# Altium PCB LimeSDR-Micro_M.2_2280_1v1.PcbDoc (part 6 of 9)
Units mm, origin at the board's own origin, x right, y up, seen from the top; angles counter-clockwise.
Board outline 80 x 22 mm, 8 copper layers (Top, L2, L3, L4, L5, L6, L7, Bottom), stack 0.775 mm thick; 678 components, 389 nets, 2376 pads, 871 vias.
Unrouted connection lines stored in the file: 254.
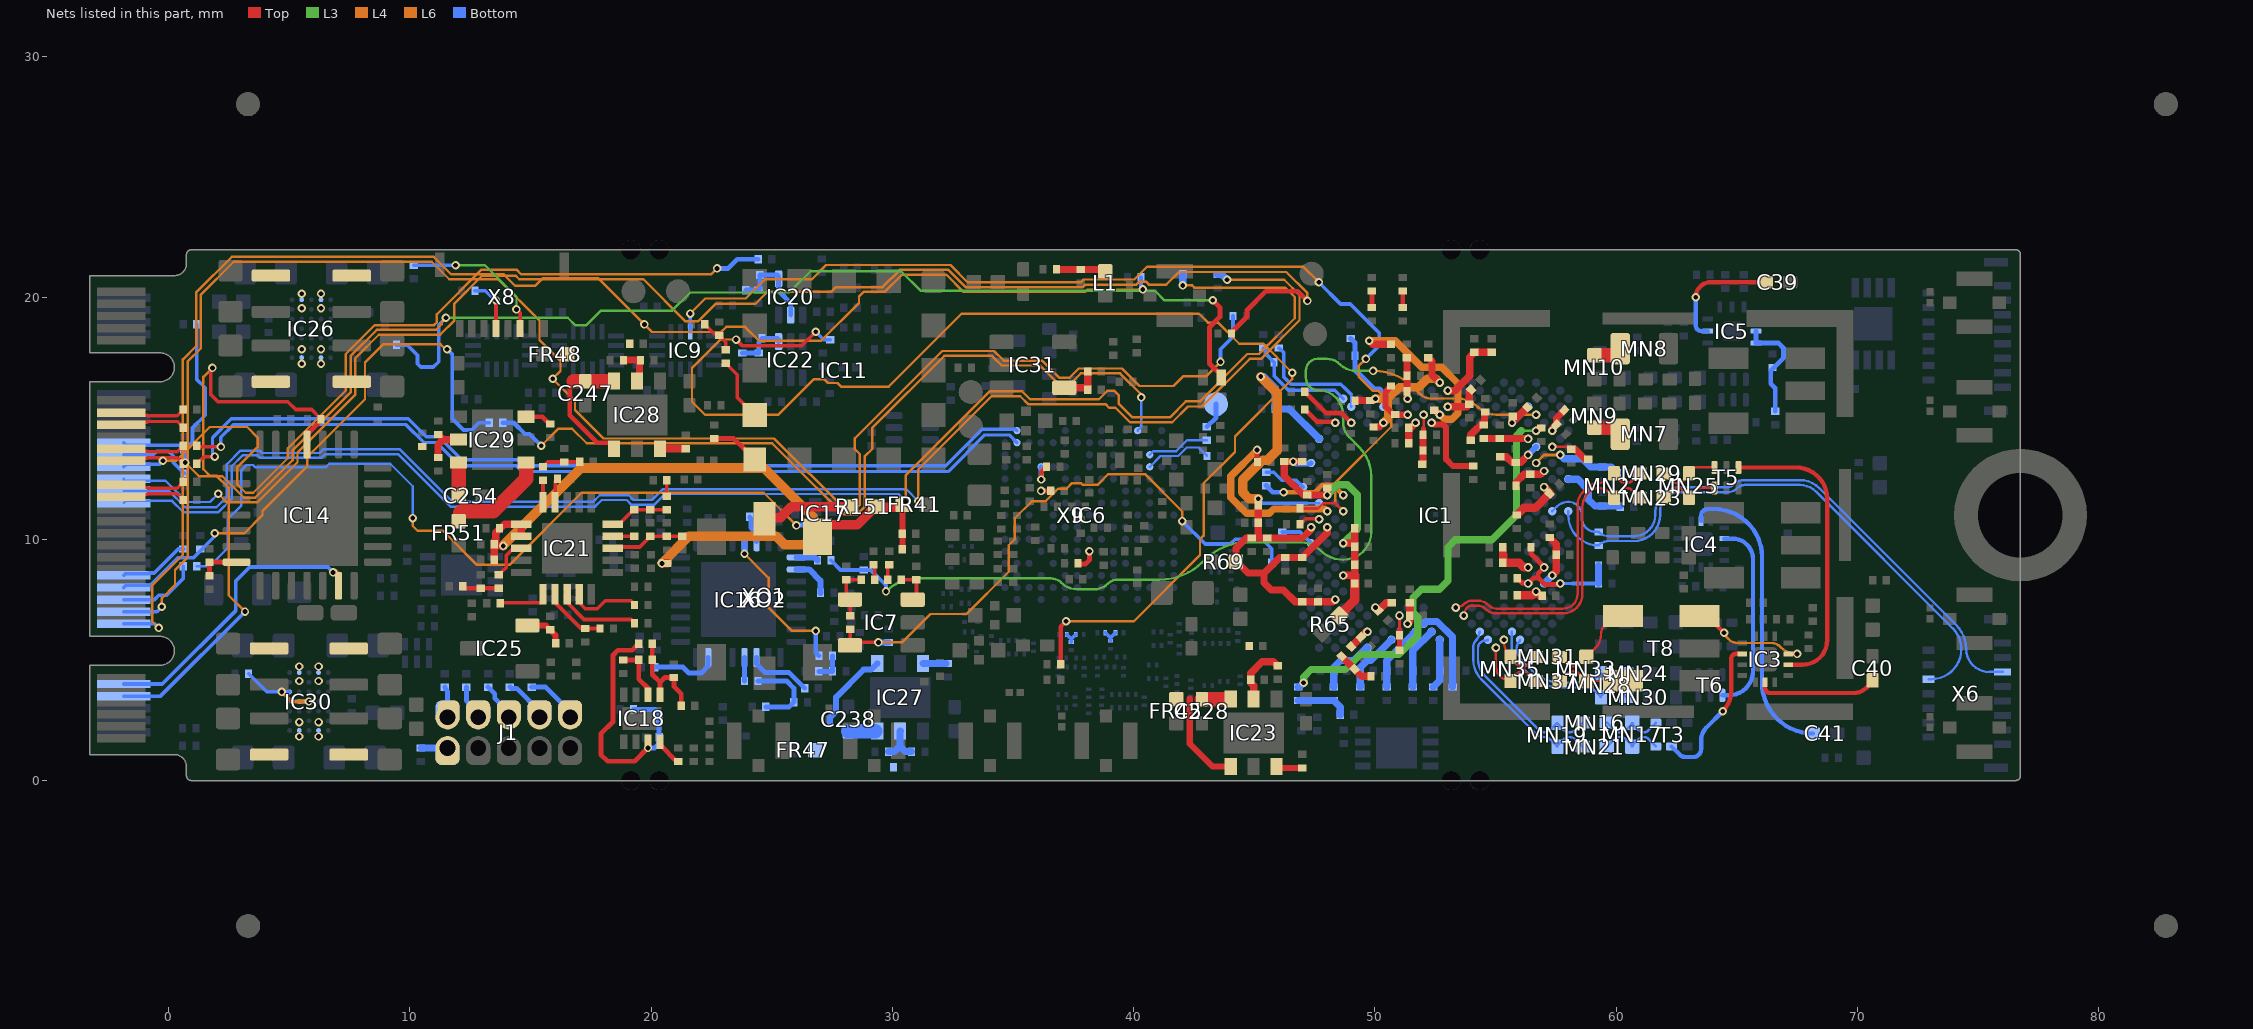
[diagram p12: the nets of this part, all layers, seen from the top]

## Via types
v1: diameter 0.35, hole 0.2, Top to Bottom, tented both sides, 717 vias
v2: diameter 0.35, hole 0.2, L5 to Bottom, tented both sides, 112 vias
v3: diameter 0.4, hole 0.2, Top to Bottom, tented both sides, 30 vias
v4: diameter 0.5, hole 0.2, Top to Bottom, tented both sides, 12 vias

## Nets (pads, with @x,y where several pads share a name; then routed paths per layer and width w, separated by ;. In a path a pad name is that pad's centre, name@x,y a point inside that pad or via, vN(x,y) a via of type N, cw(c..) or ccw(c..) an arc to the next point about the centre after c; other vN are vias at no path point) (continued)
LMS_TX2_BB_Q_N: IC1.U1 R9.2 X6.6 | length 23.6
  Bottom w0.1: IC1.U1@58.01,11.162 58.01,11 ccw(c59.266,11) R9.2@59.266,9.745 cw(c59.7,9.31) 59.7,9.925 60.741,9.925 ccw(c60.741,11) 61.816,11 61.816,11.15 cw(c62.616,11.15) 62.616,11.95 64.604,11.95 ccw(c64.604,12.537) 65.019,12.122 cw(c65.328,11.813) 65.328,12.25 67.611,12.25 cw(c67.611,11.311) 68.275,11.975 73.946,6.304 cw(c73.093,5.45) 74.3,5.45 cw(c73.05,5.45) 73.05,4.2 X6.6@72.943,4.2
LMS_TX2_BB_Q_P: IC1.U3 R9.1 X6.5 | length 24.6
  Bottom w0.1: IC1.U3@57.344,11.162 57.532,11.35 cw(c58.016,10.866) 58.016,11.55 cw(c58.016,11) 58.566,11 58.566,10.9 ccw(c59.161,10.9) 59.161,10.305 R9.1@59.266,10.305 ccw(c59.7,10.74) 59.7,10.125 60.741,10.125 ccw(c60.741,11) 61.616,11 61.616,11.15 cw(c62.616,11.15) 62.616,12.15 64.564,12.15 ccw(c64.564,12.577) 64.866,12.275 cw(c65.288,11.853) 65.288,12.45 67.614,12.45 cw(c67.614,11.319) 68.414,12.119 74.089,6.444 cw(c73.096,5.451) 74.5,5.451 ccw(c75.451,5.451) 75.451,4.5 X6.5@76.008,4.5
LMS_TXEN: IC1.U29 IC9.11 R11.1 | length 43.4
  Top w0.11: R11.1@46.896,11.3 R11.1@46.896,11.275 47.641,11.275 47.864,11.498 48.35,11.498 v1(48.686,11.162)
  L6 w0.1: v2(21.625,19.35) 22.25,19.975 23.925,19.975 24.725,20.775 26.666,20.775 27.253,21.362 32.405,21.362 33.117,20.65 37.816,20.65 37.928,20.763 40.028,20.763 40.566,21.3 47.025,21.3 v2(47.675,20.65) ; v1(48.686,11.162) 48.361,11.487 48.361,12.346 50.676,14.661 50.676,15.372 50.359,15.689 50.359,15.943 50.153,16.149 49.926,16.149 49.325,16.75 49.325,17.175 v2(49.625,17.475)
  Bottom w0.15: IC9.11@21.625,18.6 IC9.11@21.65,18.625 ; IC9.11@21.625,18.625 v2(21.625,19.35) ; v2(47.675,20.65) 48.575,19.75 48.975,19.75 50.175,18.55 50.175,18.025 v2(49.625,17.475)
LMS_TxPLL_CLK: C196.2 IC1.E5 R153.2 | length 43.1
  L3 w0.1: v1(29.738,7.837) cw(c31.035,6.54) 31.035,8.375 36.578,8.375 cw(c36.578,7.778) 37,8.2 ccw(c37.664,8.864) 37.664,7.925 38.375,7.925 ccw(c38.375,8.71) 38.93,8.155 cw(c39.341,7.744) 39.341,8.325 41.073,8.325 ccw(c41.073,10.865) 42.869,9.069 42.931,9.131 cw(c44.727,7.335) 44.727,9.875 46.94,9.875 cw(c46.94,8.765) 47.725,9.55 ccw(c48.691,10.516) 48.691,9.15 ccw(c48.691,10.309) 49.85,10.309 49.85,12.596 ccw(c48.111,12.596) 49.341,13.825 48.935,14.231 cw(c49.553,14.85) 48.678,14.85 48.678,15.147 ccw(c47.65,15.147) 47.65,16.175 cw(c47.65,16.685) 47.141,16.685 47.141,16.992 cw(c47.623,16.992) 47.623,17.475 48.007,17.475 cw(c48.007,16.707) 48.55,17.25 ccw(c49.214,17.914) 48.954,17.012 ccw(c49.214,17.914) 49.214,16.975 v1(49.921,16.975) v1@49.946,16.975
  L6 w0.1: v1@49.946,16.975 cw(c49.946,14.633) 51.602,16.289 51.891,16 ccw(c52.296,16.405) 52.296,15.832 53.404,15.832 cw(c53.404,14.613) 54.266,15.475 ccw(c55.031,16.24) 55.031,15.158 v1(56.678,15.158)
  Bottom w0.15: R153.2@27.455,9.125 27.855,8.725 C196.2@28.825,8.725 29.1,8.725 29.738,8.087 v1(29.738,7.837)
M.2_CLK_IN: R155.2 X9.P28 | length 2.9
  Bottom w0.15: X9.P28@-1.85,8.5 -1.788,8.562 -0.838,8.562 -0.8,8.6 -0.581,8.6 0.414,9.595 R155.2@0.625,9.595
M.2_CLK_OUT: R160.2 X9.P24 | length 3.3
  Bottom w0.15: X9.P24@-1.85,7.5 -0.575,7.5 -0.4,7.675 -0.075,7.675 0.62,8.37 R160.2@0.62,8.875
M.2_GPIO_1: R141.2 X9.P42 | length 61.9
  L6 w0.1: v2(31.075,11.575) 31.075,12.884 34.116,15.925 35.3,15.925 35.625,15.6 38.829,15.6 38.979,15.45 39.25,15.45 39.85,14.85 41.6,14.85 42.25,15.5 42.834,15.5 44.809,17.475 45.276,17.475 46.875,19.074 46.875,20.117 46.242,20.75 v2(43.875,20.75)
  Bottom w0.1: X9.P42@-1.85,12 0.025,12 0.7,11.325 1.992,11.325 2.425,11.758 2.425,13.108 2.992,13.675 3.783,13.675 3.883,13.575 6.27,13.575 6.42,13.725 9.6,13.725 11.775,11.55 17.6,11.55 17.875,11.825 19.075,11.825 19.275,11.625 20.042,11.625 20.492,12.075 30.575,12.075 v2(31.075,11.575)
  Bottom w0.3: R141.2@43.462,20.975 43.65,20.975 v2(43.875,20.75)
M.2_GPIO_2: R142.2 X9.P44 | length 62.5
  Top w0.2: R142.2@44.055,18.525 44.055,18.585 44.7,19.23 44.7,19.5 45.475,20.275 46.8,20.275 v1(47.2,19.875)
  L6 w0.1: v2(2.064,11.886) 2.425,11.525 3.683,11.525 5.35,13.192 5.35,13.6 7.75,16 7.75,17.509 8.716,18.475 11.26,18.475 11.85,19.065 11.85,19.767 13.008,20.925 14.392,20.925 14.542,20.775 19.683,20.775 21.433,19.025 21.95,19.025 22.68,19.755 24.32,19.755 24.815,20.25 27.465,20.25 27.665,20.45 29.6,20.45 30.312,21.162 32.322,21.162 33.034,20.45 37.899,20.45 37.999,20.55 40.115,20.55 40.24,20.675 40.51,20.675 40.635,20.55 41.35,20.55 41.875,21.075 46.325,21.075 47.2,20.2 v1(47.2,19.875)
  Bottom w0.1: X9.P44@-1.85,12.5 -1.85,12.425 -0.117,12.425 0.767,11.541 1.72,11.541 v2(2.064,11.886)
M.2_LED1#: IC14.20 X9.P10 | length 12.2
  Top w0.3: v1(6.825,8.625) 6.925,8.625 7.05,8.5 IC14.20@7.05,8.075
  Bottom w0.15: X9.P10@-1.85,4 -0.25,4 2.8,7.05 2.8,8.275 3.375,8.85 6.6,8.85 v1(6.825,8.625)
M.2_LNA1_EN: R138.2 X9.P20 | length 60
  L4 w0.1: v1(-0.4,6.325) -0.675,6.6 -0.675,8.085 0.6,9.36 0.6,9.45 0.6,17.45 1.15,18 1.15,20.225 2.625,21.7 10.995,21.7 11.72,20.975 13.9,20.975 14.375,20.5 15.2,20.5 15.525,20.825 17.8,20.825 v1(19.725,18.9)
  L6 w0.1: v1(19.725,18.9) 20.038,18.587 22.904,18.587 23.117,18.8 23.9,18.8 24.475,18.225 27.05,18.225 28.62,19.795 28.62,20.06 28.81,20.25 29.683,20.25 30.395,20.962 32.239,20.962 32.951,20.25 37.981,20.25 38.081,20.35 v2(40.375,20.35)
  Bottom w0.15: X9.P20@-1.85,6.5 -0.575,6.5 v1(-0.4,6.325) ; v2@40.3,20.45 40.305,20.455 R138.2@40.305,20.85
M.2_PA_EN: R140.2 X9.P22 | length 72
  L4 w0.1: v1(-0.275,7.2) -0.275,7.55 0.275,8.1 0.275,8.725 0.8,9.25 0.8,17.367 1.35,17.917 1.35,20.142 2.708,21.5 10.912,21.5 11.637,20.775 13.665,20.775 15.38,19.061 15.38,18.255 16.25,17.385 16.25,16.975 v1(15.925,16.65)
  L6 w0.1: v1(15.925,16.65) 16.85,15.725 16.85,15.35 18.025,14.175 25.103,14.175 28.053,11.225 28.451,11.225 28.65,11.424 28.65,13.53 28.445,13.735 28.445,14.178 32.067,17.8 34.217,17.8 34.617,17.4 36.208,17.4 36.908,16.7 37.35,16.7 37.725,17.075 39.525,17.075 40.25,16.35 41.65,16.35 42.05,16.75 43,16.75 v1(43.6,17.35)
  Bottom w0.15: X9.P22@-1.85,7 -0.475,7 v1(-0.275,7.2) ; v1(43.6,17.35) 43.6,17.875 44.12,18.395 R140.2@44.12,19.25
M.2_PPS_IN: R173.1 X9.P46 | length 35.9
  L6 w0.1: v2(-0.225,13.25) 0.325,13.25 0.375,13.3 0.375,13.31 1.715,14.65 3.267,14.65 3.7,14.217 3.7,13.817 2.85,12.967 2.85,12.283 3.208,11.925 3.517,11.925 4.95,13.358 4.95,13.766 7.35,16.166 7.35,17.675 8.55,18.875 11.01,18.875 11.125,18.99 11.125,19.083 11.125,19.325 12.975,21.175 14.425,21.175 14.625,20.975 22.488,20.975 v2(22.738,21.225)
  Bottom w0.15: X9.P46@-1.85,13 -1.75,13.1 -0.737,13.1 -0.375,13.1 v2(-0.225,13.25)
  Bottom w0.2: v2(22.738,21.225) 23.2,21.225 23.575,21.6 R173.1@24.445,21.6
M.2_PPS_OUT: R189.1 X9.P48 | length 3.1
  Bottom w0.15: X9.P48@-1.85,13.5 -0.625,13.5 -0.475,13.65 0.005,13.65 0.2,13.455 0.2,13.18 0.65,12.73 R189.1@0.675,12.73
M.2_TRX1: R129.2 X9.P40 | length 63.3
  L6 w0.1: v2(30.55,11.575) 30.55,12.642 34.033,16.125 35.383,16.125 35.708,15.8 38.558,15.8 38.905,16.148 39.2,16.148 39.391,15.957 39.391,15.609 39.95,15.05 41.5,15.05 42.162,15.712 42.747,15.712 44.709,17.675 45.193,17.675 46.675,19.157 46.675,20.035 46.285,20.425 42.52,20.425 42.425,20.52 v2(42.037,20.52)
  Bottom w0.1: X9.P40@-1.85,11.5 -1.761,11.589 0.153,11.589 0.617,11.125 2.075,11.125 2.625,11.675 2.625,13.025 3.075,13.475 3.7,13.475 3.8,13.375 6.353,13.375 6.503,13.525 9.517,13.525 11.692,11.35 17.683,11.35 17.958,11.625 18.992,11.625 19.192,11.425 20.125,11.425 20.575,11.875 30.25,11.875 v2(30.55,11.575)
  Bottom w0.3: v2(42.037,20.52) R129.2@42.037,20.975
MCP_RESET: C178.1 IC14.14 R139.2 | length 1.7
  Top w0.2: R139.2@1.705,8.485 C178.1@1.705,9.05 IC14.14@2.825,9.05
NetC7_2: C7.2 IC1.C29 R20.1 | length 4.6
  Bottom w0.15: R20.1@45.366,17.92 45.391,17.92 45.466,17.845 45.466,17.692 45.821,17.337 C7.2@45.821,17.325 45.821,16.776 46.421,16.175 48.335,16.175 IC1.C29@48.686,15.824
NetC39_2: C39.2 IC5.2 | length 5.1
  Top w0.18: v1(63.291,20.025) cw(c63.916,20.025) 63.916,20.65 C39.2@66.2,20.65
  Bottom w0.18: v1(63.291,20.025) 63.291,18.875 ccw(c63.541,18.875) 63.541,18.625 IC5.2@63.791,18.625
NetC40_2: C40.2 IC3.13 | length 5
  Top w0.18: IC3.13@66.166,4.072 66.166,3.837 ccw(c66.377,3.837) 66.377,3.625 69.832,3.625 ccw(c69.832,4.393) 70.375,3.85 70.59,4.065 ccw(c70.504,4.15) C40.2@70.625,4.15
NetC41_2: C41.2 IC4.13 | length 12.6
  Bottom w0.18: IC4.13@63.516,10.752 63.516,10.975 cw(c63.791,10.975) 63.791,11.25 64.05,11.25 cw(c64.05,9.26) 66.041,9.26 66.041,4.059 ccw(c68.15,4.059) C41.2@68.15,1.95
NetC45_1: C45.1 FR2.2 IC5.8 IC5.9 | length 4.6
  Bottom w0.2: IC5.8@65.791,18.625 IC5.9@65.791,18.125 66.725,18.125 66.925,17.925 66.925,17.5 66.4,16.975 66.4,16.45 66.585,16.265 FR2.2@66.585,15.3
NetC52_1: C52.1 C53.1 C59.1 C60.1 C61.1 C62.1 C63.1 C64.1 IC1.AA29 IC1.AE29 IC1.L33 IC1.R31 R65.2 | length 13.1
  Top w0.3: C60.1@46.98,13.219 C59.1@46.246,13.219 46.246,12.618 47.036,11.828 v1(48.02,11.828) C52.1@48.02,12.12 ; v1(48.686,9.83) 49.163,9.83 C63.1@49.163,10.46 ; v1@48.715,8.488 48.709,8.488 48.696,8.502 48.696,8.508 49.163,8.508 C61.1@49.163,8.935 C64.1@49.163,9.69
  Top w0.4: R65.2@48.516,6.825 49.163,7.472 C62.1@49.163,8.165 49.163,8.508
  L3 w0.3: v1(48.02,11.828) 48.445,12.253 48.862,12.253 49.275,11.84 49.275,10.419 v1(48.686,9.83)
  Bottom w0.2: v1(46.613,13.215) 46.71,13.118 47.206,13.118 47.219,13.131 47.326,13.131 IC1.L33@47.354,13.16
  other v1: 48.686,8.498
NetC54_1: C54.1 C55.1 C56.1 FR7.1 IC1.A17 IC1.C25 IC1.F24 | length 6.8
  Top w0.3: FR7.1@49.168,15.745 C56.1@49.813,15.745 49.926,15.745 50.005,15.824 v1(50.018,15.824) ; C54.1@49.94,14.651 50.19,14.651 50.351,14.812 v1(50.351,14.825) ; C55.1@52.216,17.525 52.366,17.375 52.366,16.807 v1(52.682,16.49)
  L4 w0.35: v1(50.018,15.824) 50.541,15.824 ; v1(50.351,14.825) 50.541,15.015 50.541,15.824 ; v1(52.682,16.49) 52.522,16.65 52.166,16.65 51.816,16.3 51.017,16.3 50.541,15.824
NetC57_2: C57.2 FR6.1 IC1.M4 | length 1.5
  Top w0.3: FR6.1@55.843,12.215 55.843,12.349 56.189,12.695 C57.2@56.438,12.695 56.866,12.695 56.998,12.827 v1(57.011,12.827)
NetC58_1: C58.1 FR5.1 IC1.AL21 | length 0.9
  Top w0.3: v1(51.35,6.5) 51.35,6.514 51.442,6.606 C58.1@51.442,6.825 51.442,7.37 FR5.1@51.441,7.37
NetC65_1: C65.1 IC1.G5 R66.1 | length 18.5
  Top w0.3: v1(56.678,14.492) 56.692,14.492 56.805,14.605 C65.1@56.891,14.605
  L3 w0.11: 56.074,14.492 v1@56.597,14.492
  L3 w0.3: v1(47.045,4.055) 47.045,4.295 47.35,4.6 48.775,4.6 49.4,5.225 51,5.225 51.775,6 51.775,6.775 51.575,6.975 51.575,7.575 51.925,7.925 52.675,7.925 53.025,8.275 53.025,9.671 53.329,9.975 54.85,9.975 55.866,10.991 55.866,14.3 56.066,14.5
  Bottom w0.3: R66.1@46.816,3.881 46.871,3.881 v1(47.045,4.055)
NetC66_1: C66.1 FR10.1 IC1.P4 | length 2.1
  Top w0.35: FR10.1@55.9,11.025 56.175,11.3 56.648,11.3 C66.1@57.24,11.892 57.24,11.932 v1(57.011,12.161)
NetC67_1: C67.1 FR21.1 IC1.D6 IC1.F8 | length 1.8
  Top w0.3: v1(55.679,14.825) 55.679,14.831 FR21.1@56.315,15.467
  Bottom w0.3: v1(55.679,14.825) IC1.D6@56.345,15.491
NetC68_1: C68.1 FR20.1 IC1.B16 | length 2.9
  Top w0.3: v1(53.015,16.157) 53.311,16.157 53.925,16.771 53.925,17.554 C68.1@54.116,17.745 FR20.1@54.841,17.745
NetC69_1: C69.1 C70.1 FR19.1 IC1.E19 | length 2
  Top w0.11: 52.016,14.6 v1(52.016,15.158)
  Top w0.2: C69.1@52.016,14.305 52.016,14.33 52.016,14.6
  Top w0.3: FR19.1@51.991,13.205 51.991,13.778 C69.1@51.991,14.305
NetC71_2: C71.2 FR18.1 IC1.F20 | length 1
  Top w0.3: FR18.1@51.396,13.975 C71.2@51.396,14.625 51.483,14.625 v1(51.683,14.825)
NetC72_1: C72.1 FR17.1 IC1.AJ25 | length 0.7
  Top w0.3: C72.1@50.14,7.038 50.472,7.37 FR17.1@50.691,7.37
  other v1: 50.018,7.166
NetC73_1: C73.1 IC1.AP26 R67.1 | length 2.5
  Bottom w0.3: R67.1@48.291,3.88 C73.1@48.291,4.55 48.291,4.689 48.577,4.975 49.112,4.975 49.628,5.491 49.676,5.491 IC1.AP26@49.685,5.501
NetC74_1: C74.1 FR15.1 IC1.AN23 | length 2.6
  Bottom w0.3: FR15.1@49.386,3.88 49.391,3.88 C74.1@49.391,4.55 49.391,4.689 49.677,4.975 49.825,4.975 IC1.AN23@50.684,5.834
NetC75_1: C75.1 FR14.1 IC1.AM20 | length 2.8
  Bottom w0.3: FR14.1@50.491,3.88 C75.1@50.491,4.55 50.491,4.975 IC1.AM20@51.683,6.167
NetC76_1: C76.1 FR13.1 IC1.AL19 | length 3.6
  Bottom w0.3: IC1.AL19@52.016,6.5 52.03,6.5 52.122,6.592 52.574,6.592 53.211,5.955 C76.1@53.211,4.55 FR13.1@53.211,3.88
NetC77_1: C77.1 FR12.1 IC1.AG5 | length 1.1
  Top w0.35: FR12.1@55.946,7.675 56.521,7.675 v1(56.678,7.832) C77.1@56.86,7.65
NetC78_2: C78.2 FR11.1 IC1.AD6 | length 2.1
  Top w0.3: FR11.1@55.296,9.025 C78.2@55.296,9.675
  Top w0.35: 55.321,9.35 55.321,9.025 55.972,9.025 56.166,8.831 v1(56.345,8.831)
NetC79_1: C79.1 FR9.1 IC1.J3 | length 1.6
  Top w0.11: v1(57.344,13.826) 58.045,13.826 C79.1@58.046,13.825
  Top w0.3: C79.1@58.141,13.73 58.286,13.73 58.701,13.315 FR9.1@58.843,13.315
NetC80_2: C80.2 FR8.1 IC1.J5 IC1.K6 | length 1.9
  Top w0.3: FR8.1@55.188,13.42 55.446,13.42 55.681,13.185 C80.2@55.838,13.185 56.037,13.185 v1(56.345,13.493)
  Bottom w0.25: v1(56.345,13.493) IC1.J5@56.678,13.826
NetC81_2: C81.2 FR16.1 R66.2 R67.2 | length 2.2
  Bottom w0.3: R66.2@46.816,3.321 R66.2@46.841,3.321 ; R66.2@46.841,3.32 C81.2@47.591,3.32 R67.2@48.291,3.32 48.316,3.32 48.316,3.295 48.561,3.05 FR16.1@48.561,2.725
NetC82_1: C82.1 FR22.1 IC1.K2 IC1.L5 | length 3.8
  L4 w0.11: v1(56.678,13.16) 57.011,13.493 v1(57.677,13.493)
  Bottom w0.3: v1(57.677,13.493) 57.837,13.333 58.608,13.333 58.946,12.995 C82.1@59.416,12.995 59.791,12.995 60.016,12.77 60.041,12.77 FR22.1@60.041,12.745
NetC83_1: C83.1 C84.1 FR25.1 IC1.C21 | length 1.7
  Top w0.3: v1@51.325,15.824 C83.1@51.325,16.125 C84.1@51.325,16.775 FR25.1@51.325,17.525
  other v1: 51.35,15.824
NetC85_1: C85.1 C86.1 C87.1 FR24.1 IC1.AD4 IC1.AF2 IC1.AF6 | length 6
  Top w0.2: C85.1@55.893,8.39 55.893,8.365 55.943,8.315 55.968,8.315 56.096,8.187 56.323,8.187 v1(56.345,8.165) 56.58,8.4 56.766,8.4 ; C86.1@56.466,9.675 56.466,9.395 57.011,8.849 v1(57.011,8.831) 56.766,8.585 56.766,8.4 ; v1(57.677,8.165) 57.649,8.136 57.543,8.136 57.529,8.123 57.043,8.123 56.766,8.4
  Bottom w0.11: v1(57.677,8.165) 58.182,8.165
  Bottom w0.15: 58.182,8.165 C87.1@59.261,8.165
  Bottom w0.3: C87.1@59.261,8.165 FR24.1@59.261,8.9
NetC88_1: C88.1 FR23.1 IC1.AN17 | length 2.1
  Bottom w0.3: FR23.1@52.416,3.88 52.682,4.146 C88.1@52.682,4.55 IC1.AN17@52.682,5.834
NetC89_1: C89.1 IC1.D24 R68.1 | length 3.5
  Bottom w0.11: IC1.D24@50.351,15.491 50.351,16.065
  Bottom w0.22: R68.1@48.991,18.32 49.171,18.14 C89.1@49.171,17.6 49.171,17.02 49.966,16.225 50.191,16.225 50.351,16.065
NetC90_1: C90.1 C91.1 C92.1 C93.1 C94.1 C95.1 C96.1 C97.1 C98.1 C99.1 IC1.AH30 IC1.H32 IC1.T32 IC1.W31 IC1.W33 R69.2 | length 27.5
  Top w0.3: R69.2@44.241,9.075 R69.2@44.241,9.1 ; v1@45.161,11.675 C94.1@45.161,11.408 C95.1@45.161,10.691 45.161,10.05 ; 45.4,8.6 45.4,8.2 45.7,7.9 46.2,7.9 46.693,7.407 C98.1@46.991,7.407 C99.1@47.641,7.407 48.248,7.407 48.34,7.499 v1(48.353,7.499) ; 45.716,8.899 45.417,8.6 44.741,8.6 R69.2@44.241,9.1 ; 45.716,8.9 46.056,9.241 C91.1@46.291,9.241 C90.1@46.991,9.241 48.02,10.27 v1(48.02,10.496) ; v1(47.354,10.496) 47.345,10.486 47.345,10.395 46.999,10.05 C96.1@45.546,10.05 45.161,10.05 ; R69.2@44.241,9.1 44.241,9.625 44.666,10.05 C97.1@44.891,10.05 45.161,10.05
  L4 w0.4: v1(45.166,11.675) 44.791,11.675 44.516,11.95 44.516,12.464 45.277,13.225 45.313,13.225 45.363,13.275 45.55,13.275 45.95,13.675 45.95,16.054 v1(45.266,16.739)
  Bottom w0.11: 47.183,11.495 IC1.T32@47.687,11.495
  Bottom w0.15: v1(45.166,11.675) 45.346,11.495 47.183,11.495
  Bottom w0.3: v1(45.266,16.739) 45.396,16.739 45.866,16.269 C93.1@45.866,16.15 C92.1@45.866,15.4 46.446,15.4 IC1.H32@47.687,14.159
NetC100_1: C100.1 FR26.1 IC1.G3 | length 1.1
  Top w0.3: v1(57.344,14.492) 57.354,14.502 57.354,14.584 57.535,14.766 57.522,14.779 57.522,15.027 FR26.1@57.843,15.348
NetC101_1: C101.1 FR33.1 IC1.E21 | length 2
  Top w0.25: FR33.1@50.666,16.345 50.641,16.345 50.616,16.32 50.616,16.295 50.441,16.12 50.441,15.487 50.77,15.158 v1(51.35,15.158)
NetC102_1: C102.1 FR32.1 IC1.D16 | length 1.6
  Top w0.3: v1(53.015,15.491) 53.811,15.491 C102.1@53.911,15.591 53.911,16.125 FR32.1@53.986,16.2
NetC103_1: C103.1 FR31.1 IC1.E17 | length 7.8
  Top w0.3: v1(49.766,18.225) 49.911,18.08 FR31.1@50.666,18.08 ; C103.1@52.466,15.345 52.491,15.345 52.678,15.158 v1(52.682,15.158)
  L4 w0.3: v1(49.766,18.225) 50.841,18.225 51.941,17.125 52.766,17.125 53.441,16.45 53.441,15.225 53.191,14.975 52.879,14.975 52.696,15.158 v1(52.682,15.158)
NetC104_1: C104.1 FR30.1 IC1.AK22 | length 1.4
  Top w0.11: 51.017,6.274 v1(51.017,6.833)
  Top w0.2: FR30.1@51.017,5.4 C104.1@51.017,6.025 51.017,6.274
NetC105_1: C105.1 FR29.1 IC1.AM18 | length 2.6
  Bottom w0.3: FR29.1@51.571,3.88 C105.1@51.571,4.55 51.571,5.389 IC1.AM18@52.349,6.167
NetC106_1: C106.1 FR28.2 IC1.AE3 IC1.AF4 | length 2.2
  Top w0.3: FR28.2@57.236,10.07 57.511,9.795 C106.1@57.511,9.35 57.511,8.678 57.344,8.512 v1(57.344,8.498)
  Bottom w0.3: IC1.AF4@57.011,8.165 v1(57.344,8.498)
NetC107_1: C107.1 FR27.2 IC1.N1 | length 2.9
  Bottom w0.3: IC1.N1@58.01,12.494 58.021,12.483 58.413,12.483 58.841,12.055 58.841,11.65 59.116,11.375 C107.1@59.416,11.375 ; C107.1@59.416,11.38 FR27.2@60.161,11.38
NetC108_1: C108.1 FR35.1 IC1.AM26 | length 0.9
  Top w0.3: FR35.1@49.014,5.548 49.623,6.157 49.676,6.157 v1(49.685,6.167)
NetC109_1: C109.1 FR34.2 IC1.H6 | length 1.9
  Top w0.3: FR34.2@54.491,14.17 55.141,14.17 56.321,14.17 56.332,14.159 v1(56.345,14.159)
NetC110_1: C110.1 FR35.2 R71.2 | length 1.6
  Top w0.3: FR35.2@48.618,5.152 C110.1@49.155,4.615 49.445,4.325 R71.2@49.836,4.325
NetC111_1: C111.1 FR34.1 R70.1 | length 1.4
  Top w0.3: C111.1@53.966,14.105 53.966,14.325 54.541,14.9 54.541,15.27 R70.1@54.566,15.27
NetC126_1: C126.1 R82.1 | length 0.6
  Top w0.15: R82.1@29.22,8.945 29.275,8.89 C126.1@29.275,8.325
NetC126_2: C126.2 IC7.4 R77.2 R78.2 | length 2
  Top w0.15: IC7.4@28.095,7.66 R77.2@28.095,8.325 C126.2@28.715,8.325 ; R78.2@28.25,6.83 IC7.4@28.25,7.495
  Top w0.2: R78.2@28.25,6.83 R78.2@28.255,6.825
NetC132_1: C132.1 R86.1 | length 0.6
  Top w0.15: C132.1@29.815,8.325 29.815,8.89 R86.1@29.87,8.945
NetC132_2: C132.2 IC7.3 R88.2 | length 1.5
  Top w0.15: C132.2@30.375,8.325 30.995,8.325 R88.2@31,8.32 31,7.655 IC7.3@30.845,7.5
NetC167_1: C167.1 L1.2 R113.1 | length 2.1
  Top w0.3: R113.1@36.8,21.18 C167.1@37.8,21.18 38.745,21.18 L1.2@38.825,21.1
NetC170_1: C170.1 FR37.1 R114.2 | length 1.5
  Top w0.15: R114.2@22.23,18.9 22.23,18.875 22.305,18.8 22.33,18.8 22.61,18.52 22.75,18.52 C170.1@22.825,18.445 22.85,18.445 22.925,18.37 22.925,18.345 23.1,18.17 FR37.1@23.1,17.855
NetC184_1: C184.1 C185.1 R150.1 | length 1.2
  Bottom w0.2: C184.1@26.95,4.525 R150.1@27.52,4.525 C185.1@27.52,5.175
NetC185_2: C185.2 IC16.13 | length 6.6
  L6 w0.1: v1(23.875,9.4) 24.875,8.4 24.875,7.175 25.85,6.2 v1(26.825,6.2)
  Bottom w0.2: v1(26.825,6.2) 26.825,5.31 C185.2@26.96,5.175
  Bottom w0.25: v1(23.875,9.4) IC16.13@23.875,9.9
NetC186_2: C186.2 IC16.14 | length 1.1
  Bottom w0.2: C186.2@24.095,10.925 24.095,10.9 24.145,10.85 24.145,10.477 24.35,10.272 24.35,9.925 IC16.14@24.375,9.9
NetC191_1: C191.1 C192.1 R152.1 | length 3.4
  Bottom w0.2: C192.1@24.43,4.125 25.625,4.125 25.92,3.83 R152.1@25.92,3.25 25.72,3.05 C191.1@24.755,3.05
NetC192_2: C192.2 IC16.28 | length 1
  Bottom w0.2: C192.2@23.87,4.125 23.875,4.13 IC16.28@23.875,5.1
NetC193_2: C193.2 IC16.27 | length 2.7
  Bottom w0.2: IC16.27@24.375,5.1 24.375,4.825 24.4,4.8 24.404,4.8 24.729,4.475 25.72,4.475 C193.2@26.37,3.825